# Altium PCB 28Pins_Project_V1I1_PCB.PcbDoc (part 1 of 2)
Units mm, origin at the board's own origin, x right, y up, seen from the top; angles counter-clockwise.
Board outline 93 x 55.5 mm, 2 copper layers (L1, L2), stack 1.671 mm thick; 126 components, 78 nets, 418 pads, 95 vias.
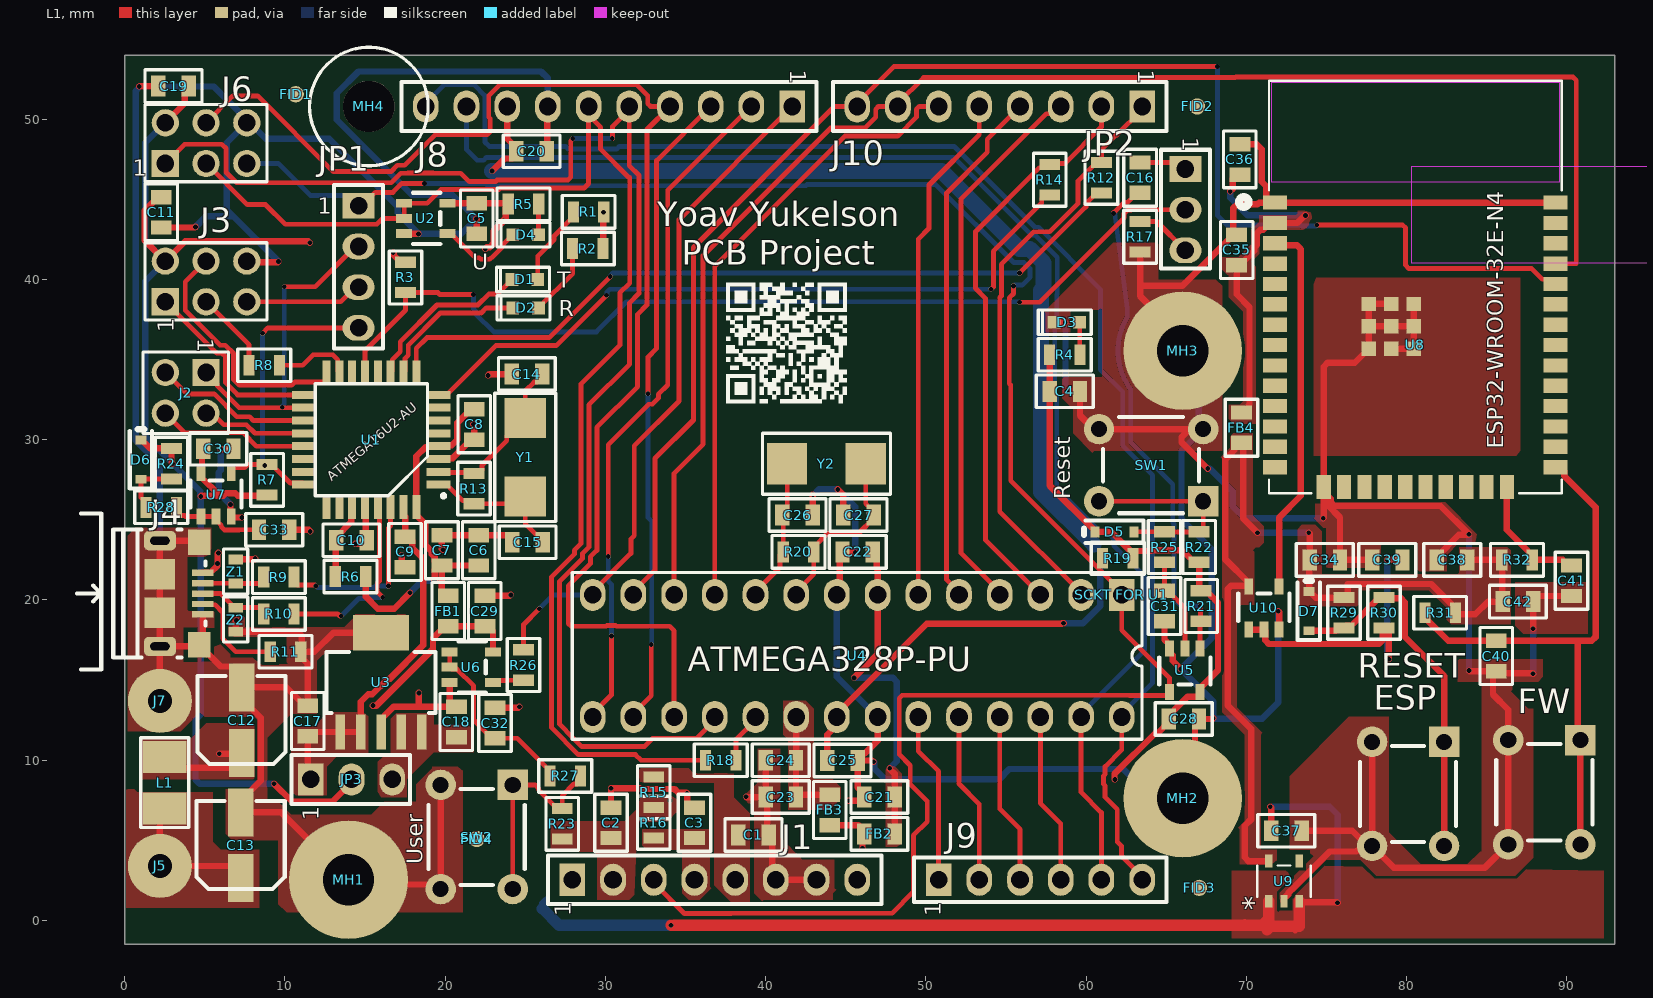
[diagram p0: L1 view]
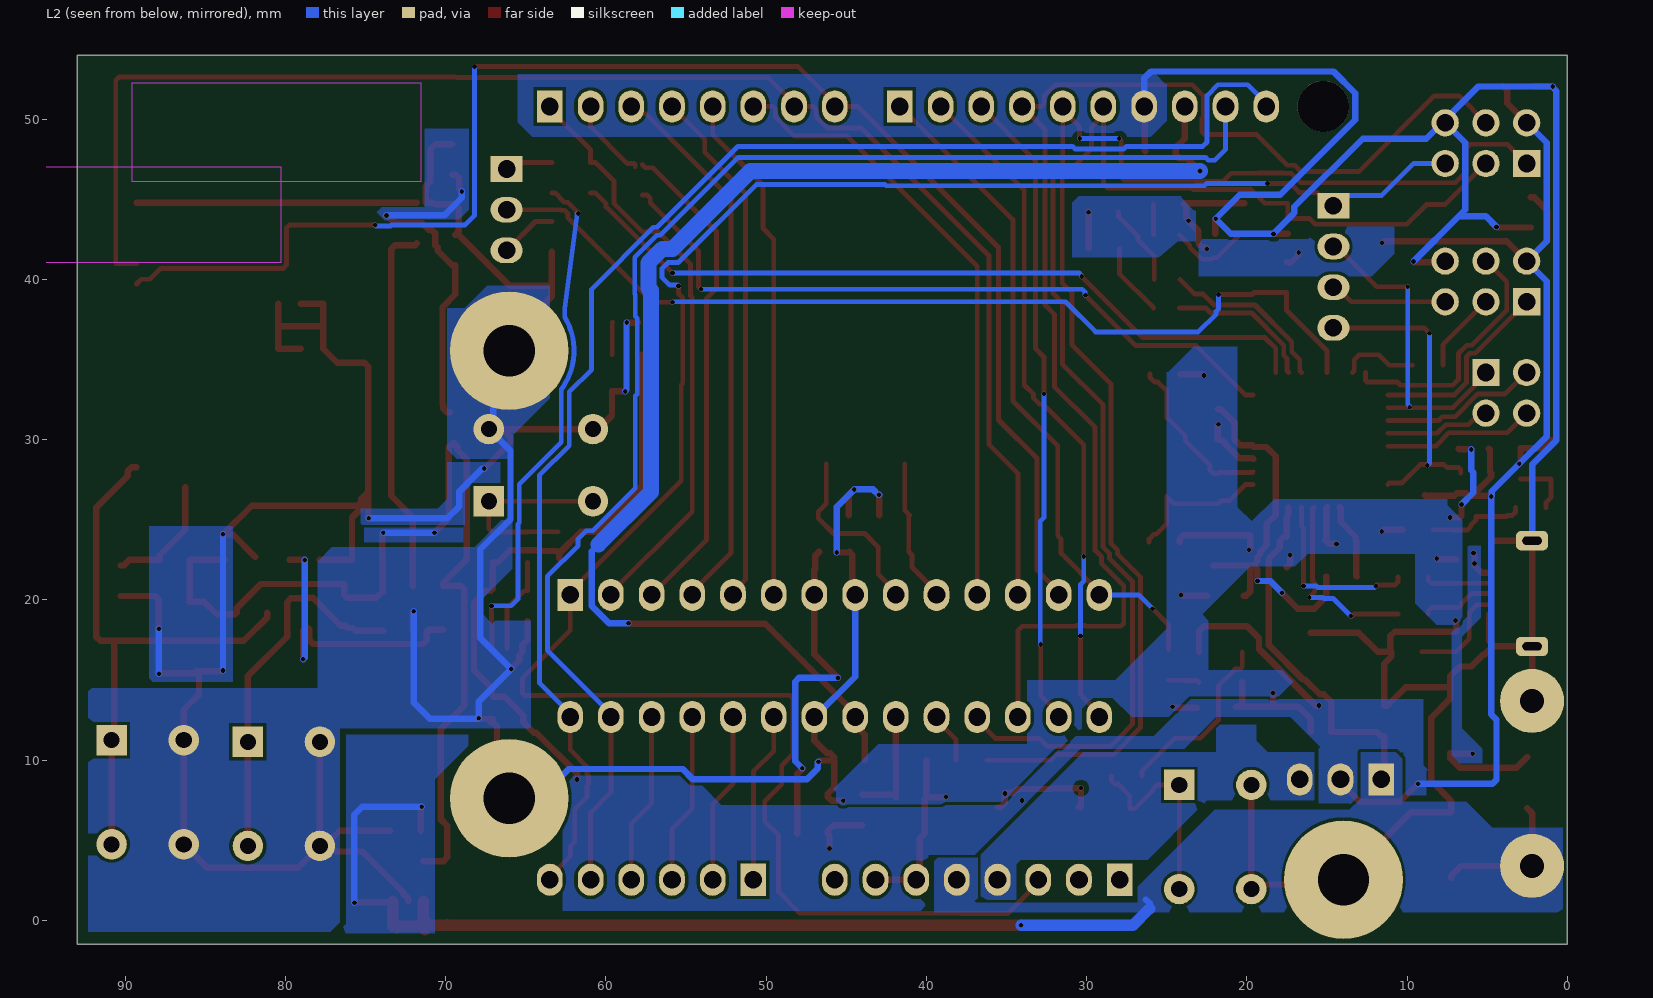
[diagram p1: L2 view, seen from below]

## Layer stack, top to bottom
Top Solder: solder mask 0.0102, Solder Resist, Dk 3.5
L1: signal copper 0.0356
Dielectric 1: dielectric 1.6, FR-4, Dk 4.8
L2: signal copper 0.0356
Bottom Solder: solder mask 0.0102, Solder Resist, Dk 3.5

## Board outline
0,-1.5 93,-1.5 93,54 0,54

## Design rules (kind name [scope] priority, off if disabled: settings)
Clearance [All] p1: gap=0.2 ignorepadtopadclearanceinfootprint=FALSE
ComponentClearance ComponentClearance_5 [InComponent('SW2') vs InComponent('FID4')] p1: gap=0 collisioncheckmode=3 verticalgap=0 showdistances=FALSE
ComponentClearance ComponentClearance_4 [InComponent('R16') vs InComponent('R15')] p2: gap=-0.01 collisioncheckmode=3 verticalgap=-0.01 showdistances=FALSE
ComponentClearance ComponentClearance_3 [InComponent('MH4') vs InComponent('FID1') or InComponent('J8')] p3: gap=-0.01 collisioncheckmode=3 verticalgap=-0.01 showdistances=FALSE
ComponentClearance ComponentClearance_2 [InComponent('SCKT FOR U1') vs InComponent('MH4') or InComponent('U4')] p4: gap=-0.01 collisioncheckmode=3 verticalgap=-0.01 showdistances=FALSE
ComponentClearance ComponentClearance_1 [InComponent('MH2') vs InComponent('J9')] p5: gap=-0.01 collisioncheckmode=3 verticalgap=-0.01 showdistances=FALSE
ComponentClearance [All] p6: gap=0.2 collisioncheckmode=3 verticalgap=0.2 showdistances=FALSE
HoleSize [All] p1: absolutevalues=TRUE maxlimit=10 minlimit=0.2 maxpercent=80.000 minpercent=20.000
HoleToHoleClearance [All] p1: gap=0.3 allowstackedmicrovias=TRUE
MinimumSolderMaskSliver MinimumSolderMaskSliver_1 [All] p1: minsoldermaskwidth=0.1
PolygonConnect [All] p1: connectstyle=Direct reliefconductorwidth=0.254 reliefentries=4 polygonreliefangle="90 Angle" airgapwidth=0.254
RoutingVias RoutingVias_1 [IsVia] p1: holewidth=0.3 width=0.4 viastyle="Through Hole" minholewidth=0.3 minwidth=0.3 maxholewidth=0.3 maxwidth=0.4
RoutingVias [All] p2: holewidth=0.3 width=0.4 viastyle="Through Hole" minholewidth=0.3 minwidth=0.3 maxholewidth=0.3 maxwidth=0.4
SilkToSilkClearance [All] p1: silktosilkclearance=0.1
SilkToSolderMaskClearance [IsPad] p1: minsilkscreentomaskgap=0.1 clearancetoexposedcopper=TRUE
SolderMaskExpansion [All] p1: expansion=0.1 istentingtop=FALSE
SupplyNets "Schematic Supply Nets_6" [InNet('+3.3V_ESP')] p1: voltage=0.000
SupplyNets "Schematic Supply Nets_5" [InNet('+5/3.3V')] p2: voltage=0.000
SupplyNets "Schematic Supply Nets_4" [InNet('+AREF')] p3: voltage=0.000
SupplyNets "Schematic Supply Nets_3" [InNet('+5V')] p4: voltage=0.000
SupplyNets "Schematic Supply Nets_2" [InNet('+3.3V')] p5: voltage=0.000
SupplyNets "Schematic Supply Nets" [InNet('GND')] p6: voltage=0.000
Width Width_POWERS [InNet('+*') or InNet('GND')] p1: maxlimit=4 minlimit=0.4 preferedwidth=0.4
Width [All] p2: maxlimit=0.5 minlimit=0.3 preferedwidth=0.3
24 further rules are at their usual default settings.

## Components (designator, comment, footprint, x,y, rotation, side; value= is the part's Value field where it differs from the comment)
C1 "100n" C0805 39.243,5.334 r180 top value=100nF
C2 "100n" C0805 30.353,6.096 r270 top value=100nF
C3 "100n" C0805 35.56,6.096 r270 top value=100nF
C4 "10uF / 16V" C0805 58.674,33.02 r180 top value=10µF
C5 "100n" C0805 21.971,43.815 r90 top value=100nF
C6 "10uF / 16V" C0805 22.1,23.1 r270 top value=10µF
C7 "100n" C0805 19.8,23.1 r270 top value=100nF
C8 "100n" C0805 21.819,30.963 r90 top value=100nF
C9 "100n" C0805 17.5,23 r90 top value=100nF
C10 "1uF / 25V" C0805 14.148,23.724 r180 top value=1µF
C11 "100n" C0805 2.286,44.196 r90 top value=100nF
C12 "100uF / 10V" C_ALU_C_SIZE 7.3,12.5 r90 top value=100µF
C13 "100uF / 10V" C_ALU_C_SIZE 7.239,4.699 r90 top value=100µF
C14 "18pF" C0805 25.1,34.1 r0 top
C15 "18pF" C0805 25.15,23.6 r0 top
C16 "100n" C0805 63.373,46.355 r90 top value=100nF
C17 "10uF / 16V" C0805 11.43,12.446 r270 top value=10µF
C18 "10uF / 16V" C0805 20.701,12.385 r270 top value=10µF
C19 "100n" C0805 3.048,52.07 r0 top value=100nF
C20 "10uF / 16V" C0805 25.4,48.006 r180 top value=10µF
C21 "10uF / 16V" C0805 47.1,7.7 r0 top value=10µF
C22 "100n" C0805 45.75,23 r0 top value=100nF
C23 "10uF / 16V" C0805 40.95,7.7 r0 top value=10µF
C24 "100n" C0805 40.95,10 r0 top value=100nF
C25 "100n" C0805 44.806,9.982 r180 top value=100nF
C26 "18pF" C0805 42,25.3 r180 top
C27 "18pF" C0805 45.8,25.3 r0 top
C28 "100n" C0805 66.101,12.573 r180 top value=100nF
C29 "100n" C0805 22.479,19.304 r270 top value=100nF
C30 "100n" C0805 5.842,29.439 r180 top value=100nF
C31 "100n" C0805 64.897,19.624 r90 top value=100nF
C32 "100n" C0805 23.114,12.319 r270 top value=100nF
C33 "100n" C0805 9.332,24.384 r180 top value=100nF
C34 "100n" C0805 74.9,22.5 r180 top value=100nF
C35 "10uF / 16V" C0805 69.4,41.85 r270 top value=10µF
C36 "100n" C0805 69.6,47.5 r270 top value=100nF
C37 "1uF / 25V" C0805 72.5,5.6 r180 top value=1µF
C38 "1uF / 25V" C0805 82.85,22.5 r0 top value=1µF
C39 "100n" C0805 78.8,22.5 r0 top value=100nF
C40 "100n" C0805 85.6,16.5 r90 top value=100nF
C41 "100n" C0805 90.3,21.2 r90 top value=100nF
C42 "10uF / 16V" C0805 86.95,19.9 r180 top value=10µF
D1 "Orange" LED_0603 24.981,40.005 r0 top
D2 "Orange" LED_0603 25.019,38.227 r0 top
D3 "Green" LED_0603 58.801,37.338 r0 top
D4 "Orange" LED_0603 25.019,42.799 r0 top
D5 "BAT54HT1G" SOD323 61.773,24.257 r0 top value=10pF
D6 "BAT54HT1G" SOD323 1.016,28.753 r270 top value=10pF
D7 "BAT54HT1G" SOD323 73.9,19.3 r270 top value=10pF
FB1 "MPZ2012S601AT000" C0805 20.193,19.304 r90 top value=100mΩ
FB2 "MPZ2012S601AT000" C0805 47.1,5.4 r0 top value=100mΩ
FB3 "MPZ2012S601AT000" C0805 44,6.9 r90 top value=100mΩ
FB4 "MPZ2012S601AT000" C0805 69.7,30.75 r90 top value=100mΩ
FID1 "FID_1MMC" FID_40X120D 10.668,51.562 r0 top
FID2 "FID_1MMC" FID_40X120D 66.929,50.8 r90 top
FID3 "FID_1MMC" FID_40X120D 67.055,2.027 r90 top
FID4 "FID_1MMC" FID_40X120D 21.97,5.075 r90 top
FW "1825910-6" 1825910-6 88.6,8 r0 top (schematic designator SW4)
J1 "HDR Female 1x8  2.54mm" Hdr_Female_1x8_2.54mm 27.94,2.54 r90 top locked
J2 "HDR 2x2" HDR_2x2_2.54mm 5.08,34.2 r270 top locked
J3 "HDR 2x3" HDR_2x3_2.54mm 2.54,38.608 r90 top locked
J4 "10118193-0001LF" 10118193 3.538,20.4 r270 top locked
J5 "4MMx1.5MM" PAD_WITH_HOLE_4MMx1.5mm 2.2,3.4 r0 top
J6 "HDR 2x3" HDR_2x3_2.54mm 2.54,47.244 r90 top locked
J7 "4MMx1.5MM" PAD_WITH_HOLE_4MMx1.5mm 2.2,13.7 r0 top
J8 "HDR Female 1x10 2.54mm" Hdr_Female_1x10_2.54mm 41.656,50.8 r270 top
J9 "HDR_Female_1x6_2.54mm" HDR_FEMALE_1X6_2.54MM 50.8,2.54 r90 top
J10 "HDR Female 1x8  2.54mm" Hdr_Female_1x8_2.54mm 63.5,50.8 r270 top
JP1 "HDR_1x4" Hdr_1x4_2.54mm 14.6,44.6 r0 top
JP2 "HDR_1x3" Hdr_Female_1x3_2.54mm 66.2,46.9 r0 top locked
JP3 "HDR_1x3" Hdr_Female_1x3_2.54mm 11.62,8.8 r90 top locked
L1 "2.2uH" C1210_IND 2.5,8.6 r270 top
MH1 "MH_7.4MMC_3.2MMD" MH_7.4MMC_3.2MMD 13.97,2.54 r0 top
MH2 "MH_7.4MMC_3.2MMD" MH_7.4MMC_3.2MMD 66.04,7.62 r0 top
MH3 "MH_7.4MMC_3.2MMD" MH_7.4MMC_3.2MMD 66.04,35.56 r0 top
MH4 "MH_7.4MMNC_3.2MMD" MH_7.4MMNC_3.2MMD_NON_COPPER_NPTH 15.24,50.8 r0 top
R1 "560R" R0805 28.956,44.221 r0 top value=560Ω
R2 "560R" R0805 28.905,41.935 r0 top value=560Ω
R3 "100k" R0805 17.526,40.132 r90 top value=100kΩ
R4 "560R" R0805 58.674,35.306 r180 top value=560Ω
R5 "560R" R0805 24.892,44.704 r180 top value=560Ω
R6 "0R" R0805 14.097,21.463 r0 top value=0Ω
R7 "10k" R0805 8.89,27.498 r270 top value=10kΩ
R8 "22R" R0805 8.712,34.646 r180 top value=2.2Ω
R9 "22R" R0805 9.625,21.427 r0 top value=2.2Ω
R10 "22R" R0805 9.625,19.127 r0 top value=2.2Ω
R11 "0R" R0805 10.033,16.764 r0 top value=0Ω
R12 "1k" R0805 60.96,46.355 r90 top value=1kΩ
R13 "1M" R0805 21.8,26.95 r90 top value=1MΩ
R14 "1k" R0805 57.734,46.228 r90 top value=1kΩ
R15 "0R" R0805 33.02,8.001 r270 top value=0Ω
R16 "0R" R0805 33.02,6.096 r270 top value=0Ω
R17 "1k" R0805 63.373,42.672 r90 top value=1kΩ
R18 "22R" R0805 37.2,10 r180 top value=2.2Ω
R19 "10k" R0805 61.976,22.606 r0 top value=10kΩ
R20 "1M" R0805 42.05,23 r180 top value=1MΩ
R21 "10k" R0805 67.183,19.624 r90 top value=10kΩ
R22 "10k" R0805 67.056,23.302 r270 top value=10kΩ
R23 "10k" R0805 27.305,6.03 r270 top value=10kΩ
R24 "10k" R0805 2.921,28.509 r90 top value=10kΩ
R25 "22R" R0805 64.897,23.302 r270 top value=2.2Ω
R26 "560R" R0805 24.892,15.941 r90 top value=560Ω
R27 "22R" R0805 27.498,9.017 r180 top value=2.2Ω
R28 "22R" R0805 2.286,25.781 r0 top value=2.2Ω
R29 "10k" R0805 76.1,19.2 r90 top value=10kΩ
R30 "22R" R0805 78.6,19.2 r270 top value=2.2Ω
R31 "10k" R0805 82.1,19.2 r0 top value=10kΩ
R32 "10k" R0805 86.9,22.5 r180 top value=10kΩ
RESET "1825910-6" 1825910-6 80.1,7.9 r0 top (schematic designator SW3)
"SCKT FOR U1" "28-DIP Socket" 28_DIP_7.62MM_SOCKET 62.23,20.32 r270 top
SW1 "1825910-6" 1825910-6 64.06,28.412 r270 top
SW2 "1825910-6" 1825910-6 21.971,5.207 r0 top
U1 "ATMEGA16U2-AU" TQFP32 15.4,30 r180 top locked
U2 "296-29202-1-ND" DBV_SOT_23_5 18.796,43.815 r0 top
U3 "TL1963A-33DCQR" DCQ 16.002,14.859 r90 top
U4 "ATMEGA328P-PU" "28_DIP_7.62MM - DUPLICATE" 45.72,16.51 r270 top
U5 "296-29202-1-ND" DBV_SOT_23_5 66.167,15.621 r270 top
U6 "296-29202-1-ND" DBV_SOT_23_5 21.637,15.809 r0 top
U7 "296-29202-1-ND" DBV_SOT_23_5 5.705,26.565 r90 top
U8 "ESP32-WROOM-32E-N4" ESP32-WROOM-32E-N4 80.55,39.54 r0 top
U9 "AP2112K-3.3TRG1" AP2112K-3.3TRG1 72.45,2.349 r90 top
U10 "296-29202-1-ND" DBV_SOT_23_5 71.1,19.5 r90 top
Y1 "ABM7-16.000MHZ-D2Y-T" ABM7_v1_1_BIG 25,28.9 r90 top
Y2 "ABM7-16.000MHZ-D2Y-T" ABM7_v1_1_BIG 43.8,28.5 r180 top
Z1 "CG0603MLC-05E" R0603 6.925,21.777 r270 top value=500fF
Z2 "CG0603MLC-05E" R0603 6.925,18.777 r90 top value=500fF

## Footprints (in the part's own frame and the unit in brackets; to place one, negate y for a bottom-side part, rotate by r counter-clockwise, add the part's x,y. Pads: shape width x height; smd on the part's side, far side on the other; paste and mask are expansions set on the pad)
"28_DIP_7.62MM - DUPLICATE" [mm]
  rect 2x1.6 hole 1.1: 1(-3.81,16.51)
  oval 2x1.6 hole 1.1: 2(-3.81,13.97) 3(-3.81,11.43) 4(-3.81,8.89) 5(-3.81,6.35) 6(-3.81,3.81) 7(-3.81,1.27) 8(-3.81,-1.27) 9(-3.81,-3.81) 10(-3.81,-6.35) 11(-3.81,-8.89) 12(-3.81,-11.43) 13(-3.81,-13.97) 14(-3.81,-16.51) 15(3.81,-16.51) 16(3.81,-13.97) 17(3.81,-11.43) 18(3.81,-8.89) 19(3.81,-6.35) 20(3.81,-3.81) 21(3.81,-1.27) 22(3.81,1.27) 23(3.81,3.81) 24(3.81,6.35) 25(3.81,8.89) 26(3.81,11.43) 27(3.81,13.97) 28(3.81,16.51)
  silkscreen extent -5.2,-17.78 5.2,17.78, body extent -3.81,-17.5 4.01,17.55, height 9.07
28_DIP_7.62MM_SOCKET [mm]
  body extent -1.24,-34.26 8.86,1.24, height 4.2
1825910-6 [mm]
  rect 1.9x1.9 hole 1: 1(2.25,3.25)
  round 1.9 hole 1: 2(2.25,-3.25) 3(-2.25,3.25) 4(-2.25,-3.25)
  silkscreen extent -3,-3 3,3, body extent -3,-3.9 3,3.9, height 5.01
10118193 [mm]
  rect 0.4x1.35 smd: 1(-1.3,1.338) 2(-0.65,1.338) 3(0,1.338) 4(0.65,1.338) 5(1.3,1.338)
  rect 1.6x1.4 smd: 6(-3.2,1.112) 7(3.2,1.112)
  rrect50% 1.2x2 hole 0.5 slot 1.2 at 90 deg: 8(-3.3,-1.338) 9(3.3,-1.338)
  rect 1.9x1.9 smd: 10(-1.2,-1.338) 11(1.2,-1.338)
  silkscreen extent -5,-6.5 4.75,1.5, body extent -3.93,-4.16 3.93,1.5, height 2.71
ABM7_v1_1_BIG [mm]
  rect 2.5x2.6 smd: 1(-2.45,0) 2(2.45,0)
  silkscreen extent -4,-1.9 4,1.9, body extent -3.05,-1.75 3.05,1.75, height 1.45
AP2112K-3.3TRG1 [mil]
  rect 31.5x18 smd paste+0 mask+0: 1(-45.31,41.34) 2(-45.31,3.94) 3(-45.31,-33.46) 4(53.19,-33.46) 5(53.19,41.34)
  silkscreen extent -35,-62 42,70, body extent -55,-57 63,65, height 51
C0805 [mm]
  rect 0.9x1.3 smd: 1(-0.95,0) 2(0.95,0)
  silkscreen extent -1.78,-1.02 1.78,1.02, body extent -0.8,-0.46 0.8,0.4, height 1.26
C1210_IND [mm]
  rect 2x2.7 smd: 1(-1.6,0) 2(1.6,0)
  silkscreen extent -2.8,-1.5 2.8,1.5, body extent -1.85,-1.3 1.85,1.3, height 2.7
C_ALU_C_SIZE [mm]
  rect 3x1.6 smd: 1(-2.05,0) 2(2.05,0)
  silkscreen extent -2.75,-2.75 2.75,2.75, body extent -2.95,-2.65 2.95,2.65, height 5.42
DBV_SOT_23_5 [mm]
  rect 1x0.55 smd: 1(-1.35,0.95) 2(-1.35,0) 3(-1.35,-0.95) 4(1.35,-0.95) 5(1.35,0.95)
  silkscreen extent -0.8,-1.6 0.9,1.6, body extent -1.51,-1.5 1.51,1.5, height 1.45
DCQ [mm]
  rect 2.2x0.6 smd: 1(-3.1,2.54) 2(-3.1,1.27) 3(-3.1,0) 4(-3.1,-1.27) 5(-3.1,-2.54)
  rect 2.2x3.5 smd: 6(3.1,0)
  silkscreen extent -1.9,-3.4 1.9,3.4, body extent -3.63,-3.27 3.63,3.27, height 1.8
ESP32-WROOM-32E-N4 [mil]
  rect 59x35 smd paste+0 mask+0: 1(-344.5,207.1) 2(-344.5,157.1) 3(-344.5,107.1) 4(-344.5,57.1) 5(-344.5,7.1) 6(-344.5,-42.9) 7(-344.5,-92.9) 8(-344.5,-142.9) 9(-344.5,-192.9) 10(-344.5,-242.9) 11(-344.5,-292.9) 12(-344.5,-342.9) 13(-344.5,-392.9) 14(-344.5,-442.9) 25(344.5,-442.9) 26(344.5,-392.9) 27(344.5,-342.9) 28(344.5,-292.9) 29(344.5,-242.9) 30(344.5,-192.9) 31(344.5,-142.9) 32(344.5,-92.9) 33(344.5,-42.9) 34(344.5,7.1) 35(344.5,57.1) 36(344.5,107.1) 37(344.5,157.1) 38(344.5,207.1)
  rect 35x59 smd paste+0 mask+0: 15(-225,-492.15) 16(-175,-492.15) 17(-125,-492.15) 18(-75,-492.15) 19(-25,-492.15) 20(25,-492.15) 21(75,-492.15) 22(125,-492.15) 23(175,-492.15) 24(225,-492.15)
  rect 35x35 smd paste+0 mask+0: 39(-59.1,-96.9) 40(-114.2,-41.8) 41(-114.2,-96.9) 42(-114.2,-152) 43(-59.1,-152) 44(-4,-152) 45(-4,-96.9) 46(-4,-41.8) 47(-59.1,-41.8)
  Keep-Out Layer region: 354.5,258 354.5,502 -354.5,502 -354.5,258
  Keep-Out Layer region: 699,294.75 -10,294.75 -10,58.75 699,58.75
  silkscreen extent -433,-507 360,507, body extent -354,-502 354,502, height 114
FID_40X120D [mil]
  round 40 smd paste-40 mask+40: 1(0.21,-0.03)
Hdr_1x4_2.54mm [mm]
  rect 2x1.6 hole 1.1: 1(0,0)
  oval 2x1.6 hole 1.1: 2(0,-2.54) 3(0,-5.08) 4(0,-7.62)
  silkscreen extent -1.52,-8.9 1.52,1.3, body extent -1.3,-8.7 1.11,1.06, height 8.19
HDR_2x2_2.54mm [mm]
  rect 1.7x1.7 hole 1.1: 1(0,0)
  round 1.7 hole 1.1: 2(2.54,0) 3(0,-2.54) 4(2.54,-2.54)
  silkscreen extent -1.27,-3.94 3.81,1.4, body extent -1.27,-3.68 3.81,1.4, height 8.51
HDR_2x3_2.54mm [mm]
  rect 1.7x1.7 hole 1.1: 1(0,0)
  round 1.7 hole 1.1: 2(2.54,0) 3(0,-2.54) 4(2.54,-2.54) 5(0,-5.08) 6(2.54,-5.08)
  silkscreen extent -1.14,-6.35 3.68,1.27, body extent -1.27,-6.34 3.81,1.28, height 8.45
Hdr_Female_1x3_2.54mm [mm]
  rect 2x1.6 hole 1.1: 1(0,0)
  oval 2x1.6 hole 1.1: 2(0,-2.54) 3(0,-5.08)
  silkscreen extent -1.52,-6.2 1.52,1.2, body extent -1.31,-6.11 1.1,1.11, height 8.19
HDR_FEMALE_1X6_2.54MM [mm]
  rect 2x1.6 hole 1.1: 1(0,0)
  oval 2x1.6 hole 1.1: 2(0,-2.54) 3(0,-5.08) 4(0,-7.62) 5(0,-10.16) 6(0,-12.7)
  silkscreen extent -1.4,-14.22 1.4,1.52, body extent -1.25,-14.17 1.25,1.47, height 8.51
Hdr_Female_1x8_2.54mm [mm]
  rect 2x1.6 hole 1.1: 1(0,0)
  oval 2x1.6 hole 1.1: 2(0,-2.54) 3(0,-5.08) 4(0,-7.62) 5(0,-10.16) 6(0,-12.7) 7(0,-15.24) 8(0,-17.78)
  silkscreen extent -1.52,-19.3 1.52,1.52, body extent -1.25,-19.25 1.25,1.47, height 8.51
Hdr_Female_1x10_2.54mm [mm]
  rect 2x1.6 hole 1.1: 1(0,0)
  oval 2x1.6 hole 1.1: 2(0,-2.54) 3(0,-5.08) 4(0,-7.62) 5(0,-10.16) 6(0,-12.7) 7(0,-15.24) 8(0,-17.78) 9(0,-20.32) 10(0,-22.86)
  silkscreen extent -1.52,-24.38 1.52,1.52, body extent -1.23,-24.33 1.27,1.47, height 8.51
LED_0603 [mm]
  rect 0.8x0.8 smd: 1(-0.8,0) 2(0.8,0)
  silkscreen extent -1.78,-0.76 1.52,0.76, body extent -0.82,-0.35 0.82,0.38, height 0.8
MH_7.4MMC_3.2MMD [mm]
  round 7.4 hole 3.2: 1(0,0)
MH_7.4MMNC_3.2MMD_NON_COPPER_NPTH [mm]
  round 3.2 hole 3.2 unplated: 1(0,0)
  silkscreen extent -3.7,-3.7 3.7,3.7
PAD_WITH_HOLE_4MMx1.5mm [mm]
  round 4 hole 1.5 paste-2539.97: 1(0,0)
R0603 [mm]
  rect 0.6x0.9 smd: 1(-0.75,0) 2(0.75,0)
  silkscreen extent -1.4,-0.75 1.4,0.75, body extent -0.8,-0.44 0.8,0.4, height 0.81
R0805 [mm]
  rect 0.7x1.3 smd: 1(-0.95,0) 2(0.95,0)
  silkscreen extent -1.65,-1.02 1.65,1.02, body extent -1,-0.6 1,0.6, height 0.71
SOD323 [mil]
  rect 22x27 smd: 1(-48,0) 2(48,0)
  silkscreen extent -75,-28 71,28, body extent -49,-26 49,24, height 39
TQFP32 [mm]
  rect 1.5x0.5 smd: 1(-4.2,2.8) 2(-4.2,2) 3(-4.2,1.2) 4(-4.2,0.4) 5(-4.2,-0.4) 6(-4.2,-1.2) 7(-4.2,-2) 8(-4.2,-2.8) 17(4.2,-2.8) 18(4.2,-2) 19(4.2,-1.2) 20(4.2,-0.4) 21(4.2,0.4) 22(4.2,1.2) 23(4.2,2) 24(4.2,2.8)
  rect 0.5x1.5 smd: 9(-2.8,-4.2) 10(-2,-4.2) 11(-1.2,-4.2) 12(-0.4,-4.2) 13(0.4,-4.2) 14(1.2,-4.2) 15(2,-4.2) 16(2.8,-4.2) 25(2.8,4.2) 26(2,4.2) 27(1.2,4.2) 28(0.4,4.2) 29(-0.4,4.2) 30(-1.2,4.2) 31(-2,4.2) 32(-2.8,4.2)
  silkscreen extent -4.6,-3.5 3.5,3.6, body extent -4.6,-4.6 4.6,4.6, height 1.2

## Part data
C1 C2 C3 C5 C7 C8 C9 C11 C16 C19 C22 C24 C25 C28 C29 C30 C31 C32 C33 C34 C36 C39 C40 C41: library part C2012X7R1H104K085AA, "C Series 0805 0.1 uF 50 V ±10 % Tolerance X7R SMT Multilayer Ceramic Capacitor", Case Code (Imperial)=0805, Case Code (Metric)=2012, Dielectric=X7R, Dielectric Material=Ceramic, Manufacturer=TDK, Manufacturer Lifecycle Status="PRODUCTION (NOT RECOMMENDED FOR NEW DESIGN)", Max Operating Temperature=125°C, Min Operating Temperature=-55°C, Supplier Part Number=445-7534-1-ND, Tolerance=10%, Voltage=50V, Case/Package=0805, Category="Ceramic Capacitors", China RoHS=Compliant, ComponentLink1Description=https://datasheet.octopart.com:443/C2012X7R1H104K085AA-TDK-datasheet-175423548.pdf?src-supplier=IHS, ComponentLink1URL=https://datasheet.octopart.com:443/C2012X7R1H104K085AA-TDK-datasheet-175423548.pdf?src-supplier=IHS, ComponentLink2Description=https://datasheet.octopart.com:443/C2012X7R1H104K085AA-TDK-datasheet-151546523.pdf?src-supplier=ODG+(Origin+Data+Global), ComponentLink2URL=https://datasheet.octopart.com:443/C2012X7R1H104K085AA-TDK-datasheet-151546523.pdf?src-supplier=ODG+(Origin+Data+Global), ComponentLink3Description=https://datasheet.octopart.com:443/C2012X7R1H104K085AA-TDK-datasheet-41194876.pdf?src-supplier=element14+APAC, ComponentLink3URL=https://datasheet.octopart.com:443/C2012X7R1H104K085AA-TDK-datasheet-41194876.pdf?src-supplier=element14+APAC, ComponentLink4Description=https://datasheet.octopart.com:443/C2012X7R1H104K085AA-TDK-datasheet-10978788.pdf?src-supplier=element14+APAC, ComponentLink4URL=https://datasheet.octopart.com:443/C2012X7R1H104K085AA-TDK-datasheet-10978788.pdf?src-supplier=element14+APAC, ComponentLink5Description=https://datasheet.octopart.com:443/C2012X7R1H104K085AA-TDK-datasheet-13376850.pdf?src-supplier=element14+APAC, ComponentLink5URL=https://datasheet.octopart.com:443/C2012X7R1H104K085AA-TDK-datasheet-13376850.pdf?src-supplier=element14+APAC, ComponentLink6Description=https://datasheet.octopart.com:443/C2012X7R1H104K085AA-TDK-datasheet-41169347.pdf?src-supplier=element14+APAC, ComponentLink6URL=https://datasheet.octopart.com:443/C2012X7R1H104K085AA-TDK-datasheet-41169347.pdf?src-supplier=element14+APAC, ComponentLink7Description=https://datasheet.octopart.com:443/C2012X7R1H104K085AA-TDK-datasheet-82475248.pdf?src-supplier=Newark, ComponentLink7URL=https://datasheet.octopart.com:443/C2012X7R1H104K085AA-TDK-datasheet-82475248.pdf?src-supplier=Newark, ComponentLink8Description=https://datasheet.octopart.com:443/C2012X7R1H104K085AA-TDK-datasheet-13444418.pdf?src-supplier=Newark, ComponentLink8URL=https://datasheet.octopart.com:443/C2012X7R1H104K085AA-TDK-datasheet-13444418.pdf?src-supplier=Newark, ComponentLink9Description=https://datasheet.octopart.com:443/C2012X7R1H104K085AA-TDK-datasheet-23766614.pdf?src-supplier=Newark, ComponentLink9URL=https://datasheet.octopart.com:443/C2012X7R1H104K085AA-TDK-datasheet-23766614.pdf?src-supplier=Newark, ComponentLink10Description=https://datasheet.octopart.com:443/C2012X7R1H104K085AA-TDK-datasheet-12509848.pdf?src-supplier=Future+Electronics, ComponentLink10URL=https://datasheet.octopart.com:443/C2012X7R1H104K085AA-TDK-datasheet-12509848.pdf?src-supplier=Future+Electronics, ComponentLink11Description=https://datasheet.octopart.com:443/C2012X7R1H104K085AA-TDK-datasheet-8852320.pdf?src-supplier=Future+Electronics, ComponentLink11URL=https://datasheet.octopart.com:443/C2012X7R1H104K085AA-TDK-datasheet-8852320.pdf?src-supplier=Future+Electronics, ComponentLink12Description=https://datasheet.octopart.com:443/C2012X7R1H104K085AA-TDK-datasheet-8359770.pdf?src-supplier=Future+Electronics, ComponentLink12URL=https://datasheet.octopart.com:443/C2012X7R1H104K085AA-TDK-datasheet-8359770.pdf?src-supplier=Future+Electronics, ComponentLink13Description=https://datasheet.octopart.com:443/C2012X7R1H104K085AA-TDK-datasheet-8324322.pdf?src-supplier=Future+Electronics, ComponentLink13URL=https://datasheet.octopart.com:443/C2012X7R1H104K085AA-TDK-datasheet-8324322.pdf?src-supplier=Future+Electronics, ComponentLink14Description=https://datasheet.octopart.com:443/C2012X7R1H104K085AA-TDK-datasheet-128946.pdf?src-supplier=Future+Electronics, ComponentLink14URL=https://datasheet.octopart.com:443/C2012X7R1H104K085AA-TDK-datasheet-128946.pdf?src-supplier=Future+Electronics, ComponentLink15Description=https://datasheet.octopart.com:443/C2012X7R1H104K085AA-TDK-datasheet-11730548.pdf?src-supplier=Electro+Sonic, ComponentLink15URL=https://datasheet.octopart.com:443/C2012X7R1H104K085AA-TDK-datasheet-11730548.pdf?src-supplier=Electro+Sonic, Composition=Ceramic, Depth=1.25mm, Height=850µm, Lead Free="Lead Free", Length=2mm, Lifecycle Status=NRND, Manufacturer Part Number=C2012X7R1H104K085AA, Material=Ceramic, Max Length=2.2mm, Max Width=1.45mm, Min Length=1.8mm, Min Width=1.05mm, Mounting Technology="Surface Mount", Number of Terminals=2, Pins=2, Pricing="1=0.12, 10=0.069, 50=0.0482, 100=0.0418, 500=0.03104, 1000=0.02626 (USD)", Radiation Hardening=No, REACH SVHC=Yes, RoHS=Compliant, Schedule B="8532240020, 8532240020|8532240020|8532240020|8532240020|8532240020", Stock=1118110, Supplier=DigiKey, Termination=SMD/SMT, Voltage Rating=50V, Voltage Rating (DC)=50V, Weight=5.499807mg, Width=1.25mm
C4 C6 C17 C18 C20 C21 C23 C35 C42: library part C2012X5R1C106K085AC, "C Series 0805 10 uF 16 V ±10 % Tolerance X5R SMT Multilayer Ceramic Capacitor", Case Code (Imperial)=0805, Case Code (Metric)=2012, Dielectric=X5R, Dielectric Material=Ceramic, Manufacturer=TDK, Manufacturer Lifecycle Status="PRODUCTION (NOT RECOMMENDED FOR NEW DESIGN)", Max Operating Temperature=85°C, Min Operating Temperature=-55°C, Supplier Part Number=445-7644-1-ND, Tolerance=10%, Voltage Rating=16V, Case/Package=0805, Category="Ceramic Capacitors", China RoHS=Compliant, ComponentLink1Description=https://datasheet.octopart.com:443/C2012X5R1C106K085AC-TDK-datasheet-175423548.pdf?src-supplier=IHS, ComponentLink1URL=https://datasheet.octopart.com:443/C2012X5R1C106K085AC-TDK-datasheet-175423548.pdf?src-supplier=IHS, ComponentLink2Description=https://datasheet.octopart.com:443/C2012X5R1C106K085AC-TDK-datasheet-151546523.pdf?src-supplier=ODG+(Origin+Data+Global), ComponentLink2URL=https://datasheet.octopart.com:443/C2012X5R1C106K085AC-TDK-datasheet-151546523.pdf?src-supplier=ODG+(Origin+Data+Global), ComponentLink3Description=https://datasheet.octopart.com/C2012X5R1C106K085AC-TDK-datasheet-41194876.pdf, ComponentLink3URL=https://datasheet.octopart.com/C2012X5R1C106K085AC-TDK-datasheet-41194876.pdf, ComponentLink4Description=https://datasheet.octopart.com:443/C2012X5R1C106K085AC-TDK-datasheet-82475248.pdf?src-supplier=Newark, ComponentLink4URL=https://datasheet.octopart.com:443/C2012X5R1C106K085AC-TDK-datasheet-82475248.pdf?src-supplier=Newark, ComponentLink5Description=https://datasheet.octopart.com:443/C2012X5R1C106K085AC-TDK-datasheet-23766614.pdf?src-supplier=Newark, ComponentLink5URL=https://datasheet.octopart.com:443/C2012X5R1C106K085AC-TDK-datasheet-23766614.pdf?src-supplier=Newark, ComponentLink6Description=https://datasheet.octopart.com:443/C2012X5R1C106K085AC-TDK-datasheet-20681607.pdf?src-supplier=Newark, ComponentLink6URL=https://datasheet.octopart.com:443/C2012X5R1C106K085AC-TDK-datasheet-20681607.pdf?src-supplier=Newark, ComponentLink7Description=https://datasheet.octopart.com:443/C2012X5R1C106K085AC-TDK-datasheet-13444418.pdf?src-supplier=Newark, ComponentLink7URL=https://datasheet.octopart.com:443/C2012X5R1C106K085AC-TDK-datasheet-13444418.pdf?src-supplier=Newark, ComponentLink8Description=https://datasheet.octopart.com:443/C2012X5R1C106K085AC-TDK-datasheet-12509848.pdf?src-supplier=Future+Electronics, ComponentLink8URL=https://datasheet.octopart.com:443/C2012X5R1C106K085AC-TDK-datasheet-12509848.pdf?src-supplier=Future+Electronics, ComponentLink9Description=https://datasheet.octopart.com:443/C2012X5R1C106K085AC-TDK-datasheet-10978788.pdf?src-supplier=Future+Electronics, ComponentLink9URL=https://datasheet.octopart.com:443/C2012X5R1C106K085AC-TDK-datasheet-10978788.pdf?src-supplier=Future+Electronics, ComponentLink10Description=https://datasheet.octopart.com:443/C2012X5R1C106K085AC-TDK-datasheet-8852320.pdf?src-supplier=Future+Electronics, ComponentLink10URL=https://datasheet.octopart.com:443/C2012X5R1C106K085AC-TDK-datasheet-8852320.pdf?src-supplier=Future+Electronics, ComponentLink11Description=https://datasheet.octopart.com:443/C2012X5R1C106K085AC-TDK-datasheet-8359770.pdf?src-supplier=Future+Electronics, ComponentLink11URL=https://datasheet.octopart.com:443/C2012X5R1C106K085AC-TDK-datasheet-8359770.pdf?src-supplier=Future+Electronics, ComponentLink12Description=https://datasheet.octopart.com:443/C2012X5R1C106K085AC-TDK-datasheet-8324322.pdf?src-supplier=Future+Electronics, ComponentLink12URL=https://datasheet.octopart.com:443/C2012X5R1C106K085AC-TDK-datasheet-8324322.pdf?src-supplier=Future+Electronics, ComponentLink13Description=https://datasheet.octopart.com:443/C2012X5R1C106K085AC-TDK-datasheet-128946.pdf?src-supplier=Future+Electronics, ComponentLink13URL=https://datasheet.octopart.com:443/C2012X5R1C106K085AC-TDK-datasheet-128946.pdf?src-supplier=Future+Electronics, Composition=Ceramic, Depth=1.25mm, Height=850µm, Lead Free="Lead Free", Length=2mm, Lifecycle Status=NRND, Manufacturer Part Number=C2012X5R1C106K085AC, Material=Ceramic, Max Length=2.2mm, Max Width=1.45mm, Min Length=1.8mm, Min Width=1.05mm, Mounting Technology="Surface Mount", Number of Terminals=2, Pins=2, Pricing="1=0.21, 10=0.121, 50=0.0866, 100=0.076, 500=0.0564, 1000=0.05242 (USD)", REACH SVHC=Yes, RoHS=Compliant, Schedule B="8532240020, 8532240020|8532240020|8532240020|8532240020|8532240020", Stock=928500, Supplier=DigiKey, Termination=SMD/SMT, Voltage Rating (DC)=16V, Weight=5.499807mg, Width=1.25mm
C10 C37 C38: library part C2012X5R1E105K125AA, "C Series 0805 1 uF 25 V ±10% Tolerance X5R SMT Multilayer Ceramic Capacitor", Case Code (Imperial)=0805, Case Code (Metric)=2012, Dielectric=X5R, Dielectric Material=Ceramic, Manufacturer=TDK, Manufacturer Lifecycle Status=PRODUCTION, Max Operating Temperature=85°C, Min Operating Temperature=-55°C, Supplier Part Number=445-1419-1-ND, Tolerance=10%, Voltage=25V, Case/Package=0805, Category="Ceramic Capacitors", China RoHS=Compliant, ComponentLink1Description=https://datasheet.octopart.com:443/C2012X5R1E105K125AA-TDK-datasheet-175423548.pdf?src-supplier=TME, ComponentLink1URL=https://datasheet.octopart.com:443/C2012X5R1E105K125AA-TDK-datasheet-175423548.pdf?src-supplier=TME, ComponentLink2Description=https://datasheet.octopart.com:443/C2012X5R1E105K125AA-TDK-datasheet-182135025.pdf?src-supplier=TME, ComponentLink2URL=https://datasheet.octopart.com:443/C2012X5R1E105K125AA-TDK-datasheet-182135025.pdf?src-supplier=TME, ComponentLink3Description=https://datasheet.octopart.com:443/C2012X5R1E105K125AA-TDK-datasheet-159617022.pdf?src-supplier=TME, ComponentLink3URL=https://datasheet.octopart.com:443/C2012X5R1E105K125AA-TDK-datasheet-159617022.pdf?src-supplier=TME, ComponentLink4Description=https://datasheet.octopart.com:443/C2012X5R1E105K125AA-TDK-datasheet-151546523.pdf?src-supplier=TDK, ComponentLink4URL=https://datasheet.octopart.com:443/C2012X5R1E105K125AA-TDK-datasheet-151546523.pdf?src-supplier=TDK, ComponentLink5Description=https://datasheet.octopart.com/C2012X5R1E105K125AA-TDK-datasheet-41194876.pdf, ComponentLink5URL=https://datasheet.octopart.com/C2012X5R1E105K125AA-TDK-datasheet-41194876.pdf, ComponentLink6Description=https://datasheet.octopart.com:443/C2012X5R1E105K125AA-TDK-datasheet-20681607.pdf?src-supplier=Newark, ComponentLink6URL=https://datasheet.octopart.com:443/C2012X5R1E105K125AA-TDK-datasheet-20681607.pdf?src-supplier=Newark, ComponentLink7Description=https://datasheet.octopart.com:443/C2012X5R1E105K125AA-TDK-datasheet-82475248.pdf?src-supplier=Newark, ComponentLink7URL=https://datasheet.octopart.com:443/C2012X5R1E105K125AA-TDK-datasheet-82475248.pdf?src-supplier=Newark, ComponentLink8Description=https://datasheet.octopart.com:443/C2012X5R1E105K125AA-TDK-datasheet-8852320.pdf?src-supplier=Newark, ComponentLink8URL=https://datasheet.octopart.com:443/C2012X5R1E105K125AA-TDK-datasheet-8852320.pdf?src-supplier=Newark, ComponentLink9Description=https://datasheet.octopart.com:443/C2012X5R1E105K125AA-TDK-datasheet-13376850.pdf?src-supplier=Newark, ComponentLink9URL=https://datasheet.octopart.com:443/C2012X5R1E105K125AA-TDK-datasheet-13376850.pdf?src-supplier=Newark, ComponentLink10Description=https://datasheet.octopart.com:443/C2012X5R1E105K125AA-TDK-datasheet-10921857.pdf?src-supplier=element14+APAC, ComponentLink10URL=https://datasheet.octopart.com:443/C2012X5R1E105K125AA-TDK-datasheet-10921857.pdf?src-supplier=element14+APAC, ComponentLink11Description=https://datasheet.octopart.com:443/C2012X5R1E105K125AA-TDK-datasheet-12509848.pdf?src-supplier=Future+Electronics, ComponentLink11URL=https://datasheet.octopart.com:443/C2012X5R1E105K125AA-TDK-datasheet-12509848.pdf?src-supplier=Future+Electronics, ComponentLink12Description=https://datasheet.octopart.com:443/C2012X5R1E105K125AA-TDK-datasheet-10978788.pdf?src-supplier=Future+Electronics, ComponentLink12URL=https://datasheet.octopart.com:443/C2012X5R1E105K125AA-TDK-datasheet-10978788.pdf?src-supplier=Future+Electronics, ComponentLink13Description=https://datasheet.octopart.com:443/C2012X5R1E105K125AA-TDK-datasheet-8359770.pdf?src-supplier=Future+Electronics, ComponentLink13URL=https://datasheet.octopart.com:443/C2012X5R1E105K125AA-TDK-datasheet-8359770.pdf?src-supplier=Future+Electronics, ComponentLink14Description=https://datasheet.octopart.com:443/C2012X5R1E105K125AA-TDK-datasheet-8324322.pdf?src-supplier=Future+Electronics, ComponentLink14URL=https://datasheet.octopart.com:443/C2012X5R1E105K125AA-TDK-datasheet-8324322.pdf?src-supplier=Future+Electronics, ComponentLink15Description=https://datasheet.octopart.com:443/C2012X5R1E105K125AA-TDK-datasheet-128946.pdf?src-supplier=Future+Electronics, ComponentLink15URL=https://datasheet.octopart.com:443/C2012X5R1E105K125AA-TDK-datasheet-128946.pdf?src-supplier=Future+Electronics, Composition=Ceramic, Depth=1.25mm, Height=1.25mm, Lead Free="Lead Free", Length=2mm, Lifecycle Status=Production, Manufacturer Part Number=C2012X5R1E105K125AA, Material=Ceramic, Max Length=2.2mm, Max Width=1.45mm, Min Length=1.8mm, Min Width=1.05mm, Mounting Technology="Surface Mount", Number of Terminals=2, Pins=2, Pricing="1=0.19, 10=0.106, 50=0.0756, 100=0.0662, 500=0.05034, 1000=0.04546 (USD)", Radiation Hardening=No, REACH SVHC=Yes, RoHS=Compliant, Schedule B="8532240020, 8532240020|8532240020, 8532240020|8532240020|8532240020, 8532240020|8532240020|8532240020|8532240020", Stock=31420, Supplier=DigiKey, Termination=SMD/SMT, Voltage Rating=25V, Voltage Rating (DC)=25V, Weight=5.499807mg, Width=1.25mm
C12 C13: library part EEE-1AA101WR, "Radial Can - SMD ALUMINUM ELECTROLYTIC CAPACITOR S 10V 100muF ±20% 0.197Dia 5.00mm", Case/Package=Radial, Leakage Current=10µA, Manufacturer=Panasonic, Max Operating Temperature=85°C, Min Operating Temperature=-40°C, Ripple Current=50mA, Supplier Part Number=PCE3867CT-ND, Tolerance=20%, Voltage Rating=10V, Category="Aluminum Electrolytic Capacitors", ComponentLink1Description=https://datasheet.octopart.com:443/EEE-1AA101WR-Panasonic-datasheet-62330071.pdf?src-supplier=Newark, ComponentLink1URL=https://datasheet.octopart.com:443/EEE-1AA101WR-Panasonic-datasheet-62330071.pdf?src-supplier=Newark, ComponentLink2Description=https://datasheet.octopart.com:443/EEE-1AA101WR-Panasonic-datasheet-5314063.pdf?src-supplier=Newark, ComponentLink2URL=https://datasheet.octopart.com:443/EEE-1AA101WR-Panasonic-datasheet-5314063.pdf?src-supplier=Newark, ComponentLink3Description=https://datasheet.octopart.com:443/EEE-1AA101WR-Panasonic-datasheet-41169183.pdf?src-supplier=Newark, ComponentLink3URL=https://datasheet.octopart.com:443/EEE-1AA101WR-Panasonic-datasheet-41169183.pdf?src-supplier=Newark, ComponentLink4Description=https://datasheet.octopart.com:443/EEE-1AA101WR-Panasonic-datasheet-13265900.pdf?src-supplier=RS+(Formerly+Allied+Electronics), ComponentLink4URL=https://datasheet.octopart.com:443/EEE-1AA101WR-Panasonic-datasheet-13265900.pdf?src-supplier=RS+(Formerly+Allied+Electronics), ComponentLink5Description=https://datasheet.octopart.com:443/EEE-1AA101WR-Panasonic-datasheet-34230028.pdf?src-supplier=element14+APAC, ComponentLink5URL=https://datasheet.octopart.com:443/EEE-1AA101WR-Panasonic-datasheet-34230028.pdf?src-supplier=element14+APAC, ComponentLink6Description=https://datasheet.octopart.com:443/EEE-1AA101WR-Panasonic-datasheet-154766114.pdf?src-supplier=Master+Electronics, ComponentLink6URL=https://datasheet.octopart.com:443/EEE-1AA101WR-Panasonic-datasheet-154766114.pdf?src-supplier=Master+Electronics, ComponentLink7Description=https://datasheet.octopart.com:443/EEE-1AA101WR-Panasonic-datasheet-11548988.pdf?src-supplier=Arrow+Electronics, ComponentLink7URL=https://datasheet.octopart.com:443/EEE-1AA101WR-Panasonic-datasheet-11548988.pdf?src-supplier=Arrow+Electronics, ComponentLink8Description=https://datasheet.octopart.com:443/EEE1AA101WR-Panasonic-datasheet-150469818.pdf?src-supplier=TME, ComponentLink8URL=https://datasheet.octopart.com:443/EEE1AA101WR-Panasonic-datasheet-150469818.pdf?src-supplier=TME, ComponentLink9Description=https://sigma.octopart.com:443/150570760/technical_drawing/Panasonic-EEE1AA101WR.pdf?src-supplier=Panasonic+SCT, ComponentLink9URL=https://sigma.octopart.com:443/150570760/technical_drawing/Panasonic-EEE1AA101WR.pdf?src-supplier=Panasonic+SCT, ComponentLink10Description=https://datasheet.octopart.com:443/EEE-1AA101WR-Panasonic-datasheet-6019.pdf?src-supplier=DigiKey, ComponentLink10URL=https://datasheet.octopart.com:443/EEE-1AA101WR-Panasonic-datasheet-6019.pdf?src-supplier=DigiKey, Contact Plating=Tin, Diameter=5mm, Dissipation Factor=30%, Height=5.4mm, Height - Seated (Max)=5.4102mm, Lead Free="Lead Free", Length=5.3mm, Life (Hours)=1000hours, Lifecycle Status=NRND, Manufacturer Part Number=EEE-1AA101WR, Mounting Technology="Surface Mount", Number of Terminals=2, Packaging="Cut Tape", Pricing="1=0.36, 10=0.22, 50=0.1606, 100=0.1419, 500=0.10952 (USD)", Radiation Hardening=No, REACH SVHC=Yes, Ripple Current (AC)=50mA, RoHS=Compliant, Schedule B="8532220020, 8532220020|8532220020|8532220020|8532220020|8532220020", Stock=17563, Supplier=DigiKey, Termination=SMD/SMT, Voltage Rating (DC)=10V, Width=5.3mm